# Altium PCB SPEC-A7.PcbDoc (part 8 of 10)
Units mm, origin at the board's own origin, x right, y up, seen from the top; angles counter-clockwise.
Board outline 160 x 100 mm, 6 copper layers (Top Layer, L2, L3, L4, L5, Bottom Layer), stack 1.61 mm thick; 746 components, 489 nets, 2774 pads, 1740 vias.
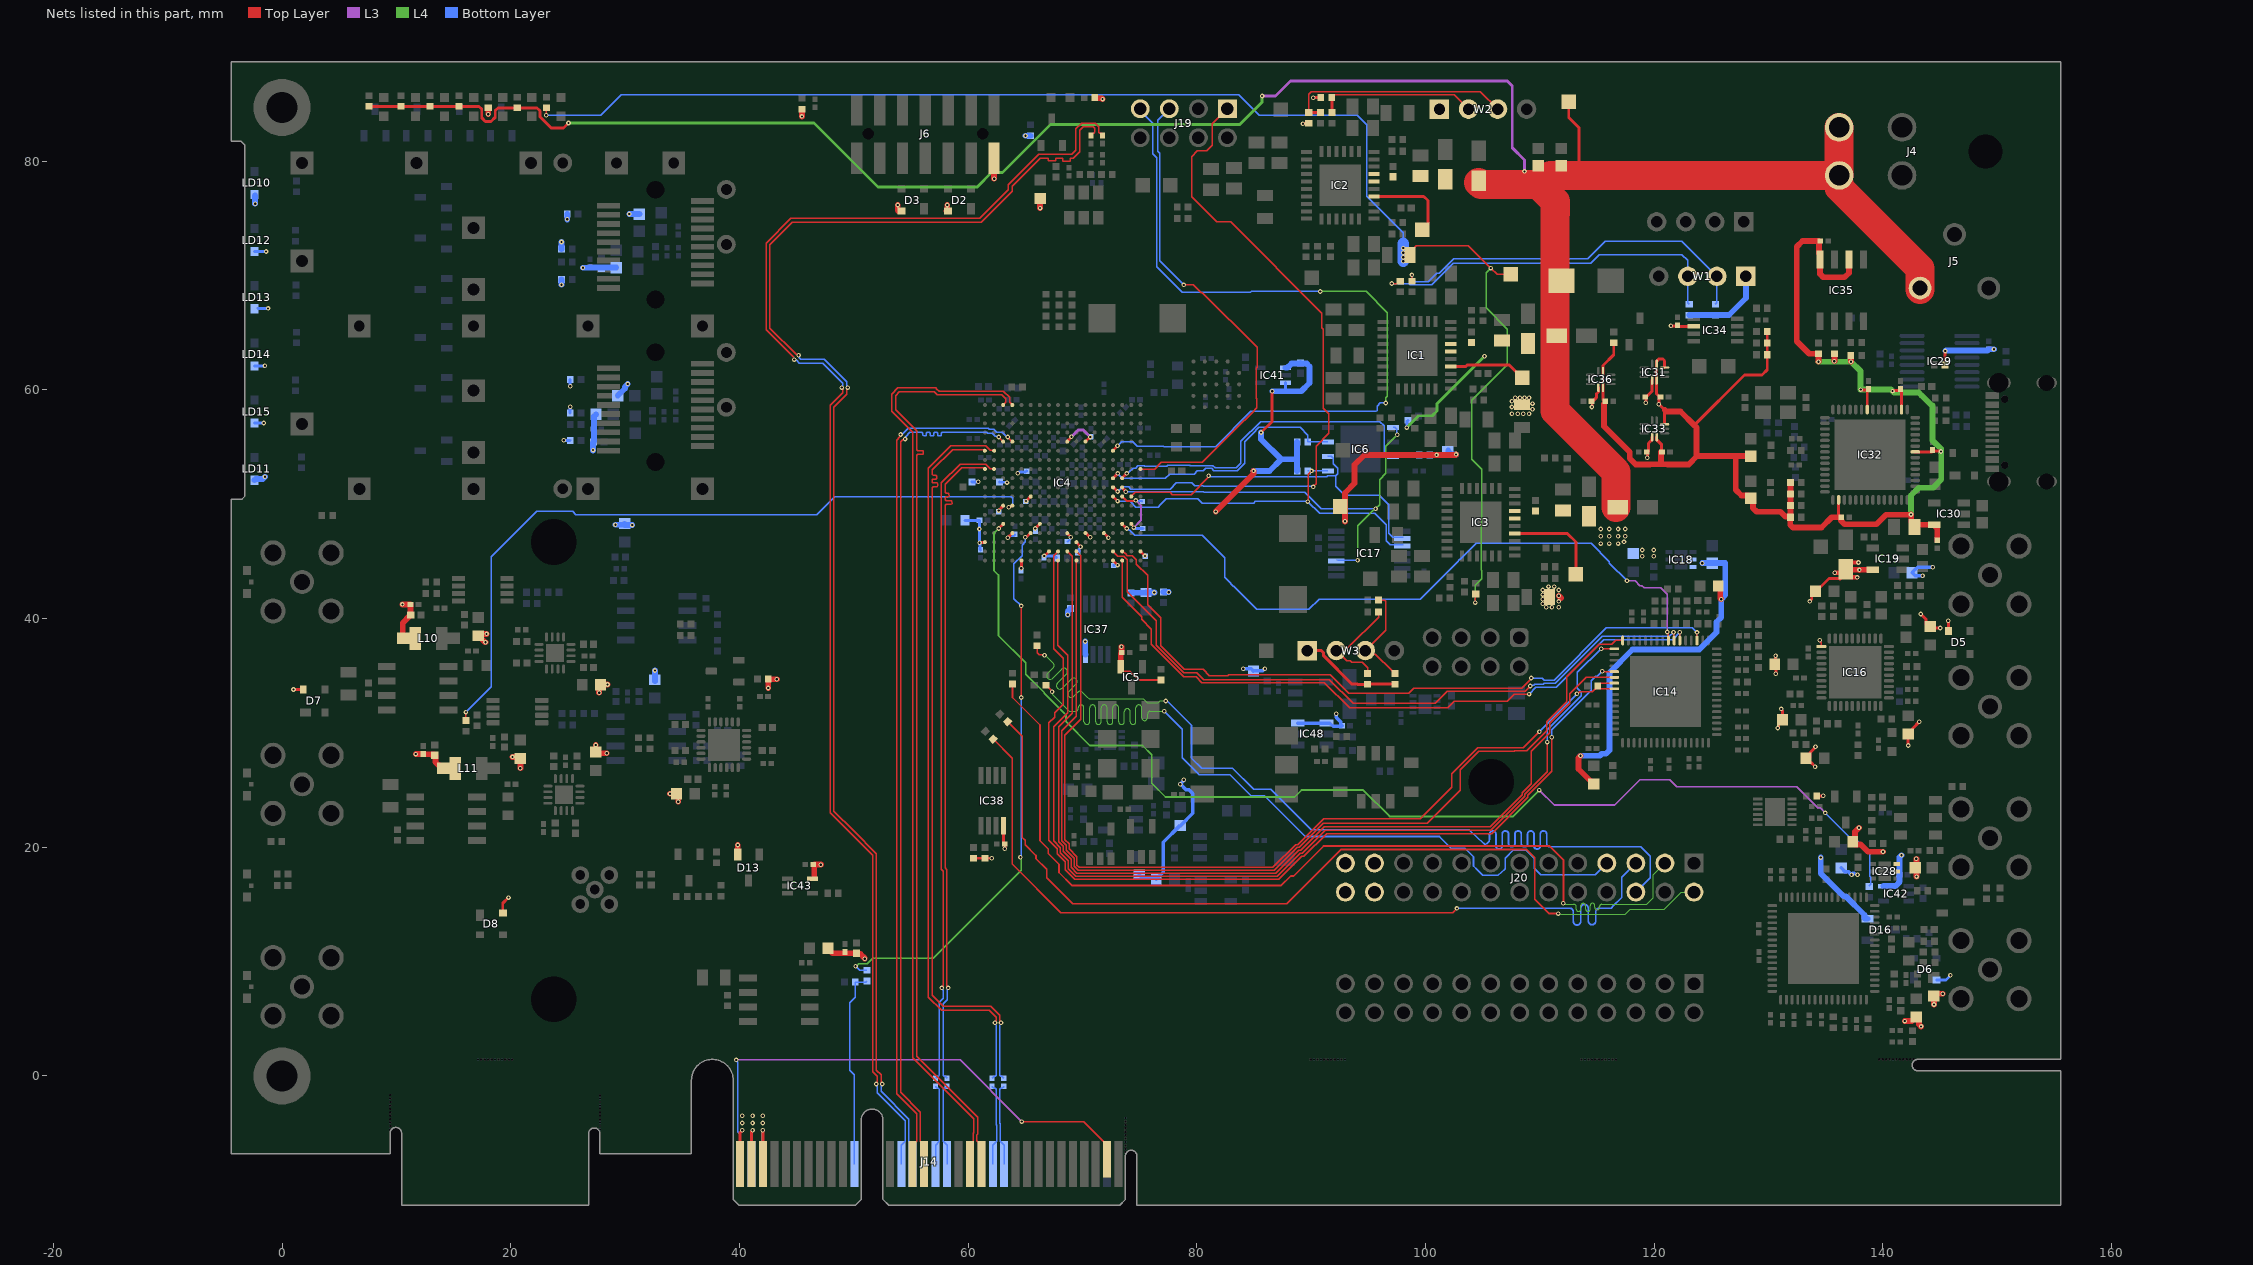
[diagram p12: the nets of this part, all layers, seen from the top]

## Via types
v1: diameter 0.4, hole 0.2, Top Layer to Bottom Layer, tented both sides, 1622 vias
v2: diameter 0.5, hole 0.2, Top Layer to Bottom Layer, tented both sides, 73 vias
v3: diameter 0.4, hole 0.2, Top Layer to Bottom Layer, 45 vias

## Nets (pads, with @x,y where several pads share a name; then routed paths per layer and width w, separated by ;. In a path a pad name is that pad's centre, name@x,y a point inside that pad or via, vN(x,y) a via of type N, cw(c..) or ccw(c..) an arc to the next point about the centre after c; other vN are vias at no path point) (continued)
P3V3: C33.2 C54.2 C68.2 C69.2 C70.2 C84.2 C85.2 C86.2 C87.2 C88.2 C89.2 C90.2 C91.2 C92.2 C93.2 C94.2 C95.2 C96.2 C97.2 C98.2 C99.2 C100.2 C101.2 C102.2 C132.2 C281.2 C282.2 C289.2 C290.2 C299.2 C308.2 C309.2 C310.2 C319.2 C324.2 C325.2 C329.2 C351.2 C352.2 C353.2 C355.2 C356.2 D2.4 D3.4 D6.4 D7.4 D8.4 D13.2 D16.2 FB1.1 FB6.1 FB18.1 FB19.1 FB20.1 FB21.1 FB22.1 FB23.1 FB24.1 FB27.1 IC4.E10 IC4.E12 IC4.L6 IC4.L16 IC4.M3 IC4.P7 IC4.P17 IC4.R4 IC4.R10 IC4.R12 IC4.R14 IC4.T1 IC4.T11 IC4.U8 IC4.U18 IC4.V5 IC4.V15 IC5.2 IC29.3 IC31.6 IC33.6 IC34.2 IC36.6 IC37.8 IC38.8 IC41.1 IC41.3 IC42.5 IC43.5 J6.2 J20.26 L3.1 L4.1 L5.1 L6.1 L10.1 L11.1 LD10.2 LD11.2 LD12.2 LD13.2 LD14.2 LD15.2 R7.2 R8.2 R36.2 R40.2 R41.2 R43.2 R45.1 R46.1 R47.1 R48.2 R49.2 R50.2 R93.2 R94.2 R95.2 R96.2 R100.2 R101.2 R102.2 R124.2 R135.2 R136.2 R145.2 R146.2 R170.2 R172.1 R185.2 TP5.1 W1.1 W2.1 W3.1 | length 180.2
  Top Layer w0.127: IC4.P17@74.264,48.276 74.264,48.225 74.479,48.01 v1(74.479,47.96)
  Top Layer w0.152: IC5.2@73.34,35.777 73.34,35.624 73.564,35.4 74.15,35.4 74.92,34.63 R170.2@76.85,34.63
  Top Layer w0.178: IC4.L16@73.464,50.676 73.855,50.285 74.559,50.285 74.604,50.329 v1(74.664,50.329)
  Top Layer w0.25: v1(1,33.8) D7.4@1.85,33.8 ; D8.4@19.3,14.25 19.3,15.1 v1(19.8,15.6)
  Top Layer w0.254: R40.2@60.447,19.04 R41.2@61.463,19.04 v1(62.06,19.04) ; v1(60.998,46.63) 61.025,46.657 61.445,46.657 IC4.T1@61.464,46.676 ; v1(62.664,49.445) 62.664,49.46 63.064,49.86 IC4.M3@63.064,49.876 ; C33.2@63.073,20.384 IC38.8@63.073,21.882 ; v1(63.21,19.86) C33.2@63.21,20.272 ; v1(63.464,47.076) IC4.R4@63.864,47.476 ; v1(64.651,44.402) 64.657,44.408 64.657,45.069 IC4.V5@64.664,45.076 ; v1(65.064,50.276) IC4.L6@65.464,50.676 ; v1(65.864,47.876) IC4.P7@66.264,48.276 ; v1(66.664,45.476) IC4.U8@67.064,45.876 ; IC4.R10@68.664,47.476 68.664,47.45 68.981,47.133 v1(68.981,47.099) ; IC4.E10@68.664,55.476 68.664,55.502 69.031,55.868 v1(69.031,55.894) ; IC4.T11@69.464,46.676 69.464,46.658 69.829,46.293 v1(69.829,46.276) ; IC4.R12@70.264,47.476 70.279,47.476 70.649,47.105 v1(70.664,47.105) ; IC4.E12@70.264,55.476 70.267,55.476 70.67,55.878 v1(70.673,55.878) ; IC4.R14@71.864,47.476 v1(72.264,47.076) ; IC4.V15@72.664,45.076 v1(73.064,44.676) ; IC4.U18@75.064,45.876 v1(75.464,45.476) ; v1(85.611,56.272) 86.555,57.217 86.555,59.843 v1(86.583,59.871) ; v1(89.276,83.28) 89.295,83.299 89.765,83.299 R136.2@89.784,83.318 ; W3.1@89.65,37.2 90.881,37.2 91.086,36.995 91.086,36.743 93.568,34.261 94.049,34.261 94.064,34.246 94.912,34.246 R145.2@94.927,34.261 R146.2@97.34,34.261 ; v1(90.174,85.556) 90.179,85.561 90.833,85.561 R135.2@90.838,85.566 ; v1(114.549,58.499) 114.577,58.527 114.577,58.966 114.93,59.319 114.93,59.642 115.111,59.823 IC36.6@115.111,60.212 ; v1(119.248,58.88) 119.276,58.908 119.276,59.347 119.81,59.881 IC31.6@119.81,60.847 ; v1(119.375,54.054) 119.403,54.082 119.403,54.521 119.502,54.62 119.502,55.324 119.81,55.632 IC33.6@119.81,55.894 ; v1(121.456,65.599) 121.484,65.571 122.013,65.571 122.042,65.542 122.055,65.555 IC34.2@123.444,65.555 ; R172.1@145.42,62.2 145.435,62.215 145.435,63.385 v3(145.45,63.4)
  Top Layer w0.305: R93.2@42.501,34.718 R93.2@42.506,34.714
  Top Layer w0.508: v1(10.526,41.238) C353.2@11.231,41.238 C352.2@11.231,40.319 ; C352.2@11.244,40.244 11.171,40.244 10.55,39.623 10.55,38.363 L10.1@10.65,38.263 L10.1@11.65,38.263 ; v1(11.7,28.15) C356.2@12.35,28.15 ; C356.2@12.366,28.133 13.006,28.133 13.033,28.106 13.294,28.106 C355.2@13.35,28.05 13.406,27.994 13.406,27.444 13.703,27.146 13.804,27.146 L11.1@14.101,26.849 ; L11.1@14.15,26.9 L11.1@15.15,26.9 ; v1(17.787,37.924) 17.751,37.924 17.175,38.5 FB22.1@17.15,38.5 17.15,38.624 17.137,38.637 17.153,38.654 v1(17.884,38.654) ; v1(18.029,84.115) R36.2@18.029,84.661 ; v1(20.15,27.9) 20.705,27.9 FB24.1@20.838,27.767 v1(20.838,26.916) ; v1(27.427,28.945) 27.427,28.214 27.438,28.225 v1(28.396,28.225) ; v1(27.724,33.511) 27.724,34.201 27.711,34.214 27.727,34.231 27.848,34.231 v1(28.458,34.231) ; v1(33.927,24.677) FB19.1@34.492,24.677 34.616,24.677 34.629,24.69 34.646,24.673 v1(34.646,23.979) ; D13.2@39.841,19.378 v1(39.841,20.199) ; R93.2@42.493,34.727 R93.2@42.501,34.718 ; R93.2@42.506,34.714 R93.2@42.52,34.7 ; v1(42.52,33.926) R93.2@42.52,34.7 ; v1(43.27,34.7) R93.2@42.52,34.7 ; v1(45.461,83.915) R49.2@45.461,84.55 ; IC43.5@46.544,17.372 C54.2@46.544,18.477 ; C54.2@46.549,18.482 v1(47.115,18.482) ; FB27.1@47.677,11.183 48.127,10.733 C325.2@50.229,10.733 50.285,10.677 50.573,10.677 50.95,10.3 v1(50.95,10.26) ; v1(53.833,76.168) 53.833,75.696 53.879,75.65 D3.4@54,75.65 ; D2.4@58.1,75.65 58.161,75.65 v1(58.161,76.168) ; J6.2@62.256,80.266 62.268,80.253 v1(62.268,78.472) ; v1(66.289,75.898) FB6.1@66.289,76.749 FB6.1@66.289,76.873 ; R48.2@71.077,85.566 71.077,85.546 71.113,85.51 71.672,85.51 v1(71.75,85.432) ; IC5.2@73.34,35.777 73.34,36.944 C132.2@73.432,37.036 73.401,37.067 v1(73.401,37.544) ; v1(81.656,49.355) 84.958,52.657 v1(84.958,52.911) ; v1(92.95,48.5) 92.95,50.99 93.794,51.834 93.794,53.444 94.657,54.308 v1(100.96,54.308) 102.62,54.308 v1(102.665,54.353) ; v1(111.65,42) 111.853,41.797
  L3 w0.178: v1(74.479,47.96) 75.093,48.574 75.093,49.9 v1(74.664,50.329)
  L3 w0.254: v1(69.031,55.894) 69.625,56.488 70.063,56.488 v1(70.673,55.878)
  Bottom Layer w0.178: v1(63.464,47.076) 63.524,47.076 63.659,47.211 63.965,47.211 64.101,47.347 C93.2@64.101,47.372 ; C86.2@68.678,46.726 68.703,46.726 68.938,46.962 68.938,47.057 v1(68.981,47.099) ; v1(74.664,50.329) 74.706,50.287 75.167,50.287 C96.2@75.21,50.244
  Bottom Layer w0.25: C88.2@72.735,44.656 72.745,44.666 73.054,44.666 v1(73.064,44.676) ; D6.4@144.7,8.4 145.5,8.4 v1(145.9,8.8)
  Bottom Layer w0.254: LD15.2@-2.4,57.1 v1(-1.6,57.1) ; LD14.2@-2.4,62.1 v1(-1.5,62.1) ; LD12.2@-2.4,72.1 v1(-1.4,72.1) ; LD13.2@-2.113,67.14 -2.097,67.124 v1(-1.224,67.124) ; v1(24.64,55.586) 24.649,55.577 25.185,55.577 R101.2@25.195,55.567 ; R102.2@25.195,57.98 v1(25.195,58.526) ; v1(25.195,60.304) R100.2@25.195,60.901 ; C68.2@59.723,48.593 C69.2@60.986,48.593 v1(60.986,47.831) v1@60.986,46.63 ; C84.2@60.32,51.953 60.326,51.959 60.878,51.959 v1(60.884,51.965) ; v1(60.998,46.63) 61.026,46.602 61.026,46.057 C89.2@61.071,46.012 ; C85.2@62.733,51.953 62.762,51.923 63.365,51.923 v1(63.393,51.895) ; v1@64.384,52.769 v1(64.322,52.708) 64.362,52.708 64.489,52.835 65.019,52.835 65.094,52.911 C94.2@65.12,52.885 ; v1(66.664,45.476) 67.559,45.476 67.724,45.311 R43.2@67.724,45.291 ; C95.2@69.585,45.778 69.683,45.876 69.683,46.091 69.829,46.236 v1(69.829,46.276) ; v1(74.479,47.96) 74.518,47.96 74.605,47.872 C91.2@75.273,47.872 ; IC41.3@87.743,60.627 87.743,59.98 87.852,59.871
  Bottom Layer w0.508: LD11.2@-2.4,52.1 -2.4,52.11 -2.304,52.206 -1.694,52.206 v1(-1.5,52.4) ; v1(-2.356,76.281) -2.356,76.994 LD10.2@-2.35,77 ; v1(24.433,69.194) R95.2@24.433,69.664 ; R96.2@24.433,72.331 v1(24.433,72.928) ; v1(24.941,74.909) R94.2@24.941,75.379 ; v1(26.312,70.676) 26.919,70.676 26.935,70.692 L3.1@29.221,70.692 ; v1@27.196,54.685 v1(27.196,54.736) 27.196,55.389 C290.2@27.247,55.44 27.289,55.482 27.289,57.687 L5.1@27.455,57.853 ; v1(29.15,48.2) 29.85,48.2 FB18.1@29.95,48.3 29.95,48.176 v1(30.626,48.176) ; L6.1@29.36,59.504 29.979,60.123 29.979,60.262 v1(30.237,60.52) ; v1(30.364,75.379) 31.241,75.379 L4.1@31.253,75.367 ; FB20.1@32.607,34.52 FB20.1@32.607,34.644 v1(32.607,35.457) ; v1(65.015,82.23) R50.2@65.45,82.23 ; v1(68.702,40.338) 68.702,40.63 68.9,40.828 68.9,40.848 68.936,40.884 R124.2@68.956,40.884 ; v1(70.238,37.997) 70.238,36.897 IC37.8@70.267,36.868 ; C100.2@74.25,42.25 C102.2@75.35,42.25 ; C102.2@75.56,42.281 v1(76.284,42.281) ; C101.2@77.084,42.312 v1(77.534,42.312) ; v1(84.958,52.911) 86.353,52.911 87.369,53.927 ; v1(85.611,56.272) 85.611,55.685 87.369,53.927 ; v1(86.583,59.871) 87.852,59.871 89.121,59.871 89.85,60.6 89.85,62.052 89.608,62.294 89.106,62.294 C329.2@89.05,62.35 88.994,62.294 88.277,62.294 87.91,61.927 IC41.1@87.743,61.927 ; R45.1@88.764,52.912 88.764,53.927 ; R46.1@88.764,55.452 88.764,53.927 ; R47.1@100.372,54.309 R47.1@100.372,54.309 v1(100.96,54.308) ; FB1.1@101.976,54.689 101.976,54.596 102.198,54.374 102.644,54.374 v1(102.665,54.353) ; R8.2@123.058,66.538 R7.2@125.344,66.538 126.525,66.538 128.011,68.024 W1.1@128.011,69.929 ; v1(134.55,19.1) 134.55,17.7 136.539,15.711 136.739,15.711 138.379,14.071 138.379,13.821 138.45,13.75 D16.2@138.65,13.75 ; IC42.5@140.05,16.6 141.096,16.6 141.394,16.898 141.394,16.958 141.45,17.014 C351.2@141.45,17.6 ; C351.2@141.455,17.605 141.455,19.129 v1(141.621,19.294) ; v3(145.45,63.4) 145.502,63.452 IC29.3@147.35,63.452 149.152,63.452 C299.2@149.25,63.55 v1(149.7,63.55) ; 87.369,53.927 88.764,53.927
  other v1: 110.55,41 111.05,41 111.65,41 110.25,41.3 111.65,41.5 110.25,41.7 110.25,42.1 110.25,42.5 111.65,42.5 110.75,42.8 111.25,42.8
P3V3_USB: C52.2 C302.2 C304.2 C305.2 C306.2 C307.2 C320.2 C321.2 C322.2 C323.2 IC30.5 IC31.1 IC31.7 IC31.10 IC32.16 IC32.36 IC32.44 IC32.50 IC33.7 IC33.10 IC35.6 IC35.8 IC36.1 IC36.7 L8.1 L9.1 R107.2 R108.2 R109.2 R110.2 R111.2 R115.1 R116.2 R117.2 R118.2 R119.2 R120.2 | length 133.4
  Top Layer w0.254: 115.593,58.752 115.593,58.977 115.623,59.007 115.511,59.119 IC36.7@115.511,60.212 IC36.1@115.511,61.562 115.511,62.128 116.454,63.071 R107.2@116.454,64.163 ; IC33.7@120.21,55.894 120.21,55.632 120.645,55.197 120.645,54.631 C305.2@120.576,54.562 ; IC33.10@120.91,56.994 120.91,58.237 120.394,58.753 v1(120.391,58.753) 120.419,58.781 120.419,59.358 120.449,59.388 120.21,59.627 IC31.7@120.21,60.847 IC31.1@120.21,62.197 120.21,62.509 120.391,62.69 120.75,62.69 120.899,62.541 120.899,62.436 120.91,62.425 IC31.10@120.91,61.947 ; 123.502,56.911 127.884,61.293 129.408,61.293 129.878,61.763 R116.2@129.878,63.071 R117.2@129.878,64.087 R115.1@129.878,65.103 ; IC32.16@136.121,50.376 136.121,48.989 C322.2@136.249,48.861 ; v1(138.044,60.023) 138.083,60.023 138.125,59.981 C321.2@138.718,59.981 ; IC32.50@138.621,58.276 C321.2@138.621,59.858 ; v1(140.838,59.896) 140.877,59.896 140.919,59.938 141.495,59.938 141.525,59.968 141.621,59.872 IC32.44@141.621,58.276 ; IC32.36@142.821,54.576 144.261,54.576 144.343,54.658 144.363,54.637 145.041,54.637 v1(145.068,54.609)
  Top Layer w0.508: 115.593,58.752 115.593,56.82 117.853,54.56 117.853,53.992 118.372,53.473 119.615,53.473 119.63,53.488 120.576,53.488 ; C305.2@120.576,54.562 120.576,53.488 ; 120.91,58.237 121.029,58.118 122.296,58.118 123.502,56.911 123.657,56.757 ; 123.693,54.207 123.693,56.721 ; 127.275,54.207 127.122,54.054 127.122,51.26 127.62,50.761 128.207,50.761 128.639,50.329 128.639,49.657 128.955,49.341 131.038,49.341 131.462,48.917 131.875,48.917 R111.2@131.911,48.881 ; L8.1@128.444,54.207 123.744,54.207 123.009,53.473 121.183,53.473 121.168,53.488 120.576,53.488 ; R108.2@131.911,51.909 R109.2@131.911,50.893 R110.2@131.911,49.877 R111.2@131.911,48.881 ; v1(134.362,62.451) 134.362,63.146 R120.2@134.356,63.153 133.556,63.153 132.451,64.258 132.451,72.513 132.959,73.021 134.414,73.021 134.414,71.947 134.483,71.878 IC35.8@134.483,71.403 134.483,70.143 134.78,69.846 136.642,69.846 137.023,70.227 IC35.6@137.023,71.403 ; v1(135.75,62.5) 135.75,63.15 R119.2@135.753,63.153 ; R118.2@137.188,62.988 137.203,62.973 v1(137.203,62.464) ; C302.2@144.75,46.85 144.75,47.9 144.44,48.21 142.715,48.21 142.479,48.446 142.479,49.071 v1(142.45,49.1) 142.431,49.081 140.267,49.081 140.044,48.858 139.441,48.255 136.641,48.255 136.305,48.591 136.305,48.805 136.249,48.861 135.518,48.861 134.615,47.958 132.118,47.958 131.894,48.182 131.894,48.844 R111.2@131.911,48.861 R111.2@131.911,48.881
  L4 w0.508: v1(134.362,62.451) 134.375,62.464 v1(137.203,62.464) 138.044,61.623 v1(138.044,60.023) 140.711,60.023 v1(140.838,59.896) 140.965,59.769 143.124,59.769 143.378,59.515 143.387,59.515 144.267,58.635 ; v1(142.45,49.1) 142.45,50.764 143.125,51.439 144.388,51.439 145.102,52.153 145.102,54.434 145.068,54.468 145.068,54.647 145.068,54.843 144.316,55.596 144.316,58.635
P3V3LMX: C240.1 D5.4 FB12.1 FB13.1 FB14.1 FB15.1 FB16.1 FB17.1 IC16.1 IC19.5 | length 22.8
  Top Layer w0.127: v1(134.48,38.097) 134.48,38.035 134.618,37.897 IC16.1@134.618,37.559
  Top Layer w0.25: D5.4@145.716,38.966 v1(145.716,39.8)
  Top Layer w0.254: v1(130.605,36.749) 130.605,36.067 130.628,36.045 130.628,35.181 v1(130.622,35.175) ; v1(130.79,30.428) 130.79,30.468 130.881,30.559 130.881,30.741 131.309,31.17 131.195,31.284 131.195,31.966 131.1,32.06 v1(131.1,32.1) ; FB15.1@133.261,27.804 133.351,27.714 133.351,27.62 133.54,27.431 133.676,27.431 v1@134.053,27.054 ; FB15.1@133.385,27.655 133.609,27.879 133.609,28.257 134.072,28.72 134.072,28.772 v1(134.1,28.8) ; v1(133.6,41.5) 133.6,41.54 133.772,41.712 133.772,42.072 FB17.1@134.1,42.4 134.1,42.425 134.448,42.773 134.545,42.773 135.281,43.509 C240.1@136.234,43.509 ; v1(142.2,28.9) FB12.1@142.2,29.9 142.225,29.9 142.573,30.248 142.573,30.366 v1(143.176,30.969) ; v1(143.3,40.4) 143.777,39.923 143.777,39.549 144.15,39.176 v1(144.998,39.176)
  Top Layer w0.381: v1(135.769,43.999) 136.601,43.999 C240.1@136.603,44 ; C240.1@136.234,43.509 136.728,44.004 136.958,44.004 136.958,43.835 137.184,43.608 137.736,43.608 v1@137.741,43.604 ; C240.1@136.75,44.3 136.75,44.468 137.184,44.903 v1(137.857,44.903)
  Top Layer w0.508: C240.1@137.111,43.957 137.111,44.258 137.121,44.268 v1@137.925,44.268 ; v1(137.939,44.254) 137.949,44.265 IC19.5@139.113,44.265
  other v1: 134.061,27.054 137.75,43.6
P3V3PLL1: C230.2 FB9.1 FB11.1 IC18.5 IC18.6 | length 33.1
  Top Layer w0.508: v1(113.55,28) 113.369,27.819 113.369,26.852 114.473,25.748 114.536,25.748 FB9.1@114.676,25.608 ; FB11.1@125.475,42.849 125.549,42.849 125.774,42.624 125.774,41.776 v1(125.85,41.7)
  Bottom Layer w0.508: v1(113.55,28) 115.228,28 115.409,28.181 115.775,28.181 116.073,28.479 116.073,35.258 118.105,37.29 123.939,37.29 125.45,38.8 125.45,39.7 125.85,40.1 v1(125.85,41.7) 126.203,42.053 126.203,44.85 C230.2@125.05,44.85 v1(124.192,44.85)
P3V3PLL2: C226.2 FB7.1 FB8.1 FB10.1 IC28.5 IC28.6 R64.1 | length 10.3
  Top Layer w0.254: R64.1@134.22,24.5 v1(134.766,24.5)
  Top Layer w0.508: v1(137.9,21.7) 137.55,21.35 137.55,20.275 137.571,20.254 138.028,20.254 138.679,19.603 139.997,19.603 v1(140,19.6) ; v1(141.9,4.8) 142.518,4.8 142.858,5.139 142.944,5.139 143.147,4.936 143.147,4.515 v1(143.331,4.33) ; C226.2@142.812,18.175 142.918,18.281 v1(142.918,18.988) ; C226.2@142.812,18.213 142.936,18.088 v1(142.936,17.437) ; v1(144.46,6.25) 144.46,6.993 144.45,7.003 144.478,7.003 144.663,7.188 v1(145.224,7.188)
P3V6_CLK: C343.1 FB25.2 FB26.2 FB28.2 FB29.2 FB32.1 FB33.1 FB34.1 IC48.3 IC48.4 R184.2 | length 24.5
  Bottom Layer w0.305: FB26.2@74.95,17.6 75.242,17.307 76.342,17.307 FB29.2@76.45,17.2 ; FB29.2@76.45,17.225 76.772,17.548 76.797,17.548 77.073,17.823 77.073,20.448 78.525,21.9 FB25.2@78.55,21.9 78.575,21.9 79.65,22.975 79.65,24.7 79.299,25.051 79.025,25.051 78.576,25.5 v3(78.55,25.5) 78.55,25.526 78.832,25.808 78.832,25.882 v3(78.85,25.9) ; v3(84.05,35.6) 84.75,35.6 FB28.2@84.95,35.4 ; FB28.2@84.996,35.446 85.77,35.446 85.924,35.6 v3(85.95,35.6) ; IC48.3@88.828,30.859 91.628,30.859 91.909,30.577 92.644,30.577 C343.1@92.697,30.631 92.672,30.631 92.6,30.703 92.6,30.93 92.179,31.35 v1@92.179,31.682 ; FB32.1@136.35,18.2 136.672,17.877 136.947,17.877 137.206,17.618 137.219,17.631 137.271,17.631 137.292,17.652 137.396,17.652 137.493,17.75 137.4,17.75 v1(137.25,17.6) ; v1(143.458,43.745) 142.805,43.745 FB34.1@142.55,44 142.55,44.025 142.872,44.348 142.897,44.348 143.05,44.5 v1(144.35,44.5)
  other v1: 137.771,17.608 92.178,31.684 118.941,45.441 119.957,45.441 118.944,45.994 119.96,45.994 107.55,57.9 108.05,57.9 108.55,57.9 109.05,57.9 109.35,58.3 107.55,58.5 109.35,58.8 107.55,59 107.85,59.3 108.25,59.3 108.65,59.3 109.05,59.3
P5V0: R24.2 R31.2 R182.2 TP8.1 | length 131.1
  Top Layer w0.127: R31.2@23.109,84.661 23.114,84.656 v1(23.114,84.013) ; R182.2@98.65,71.8 98.65,72.084 99.186,72.621 103.729,72.621 v1(105.7,70.65) 106.25,70.1 TP8.1@107.45,70.1 ; v1(104.35,41.4) 104.35,42.115 R24.2@104.389,42.154
  L4 w0.127: v1(104.35,41.4) 104.35,42.934 104.894,43.478 104.894,44.227 104.887,44.234 104.887,48.246 104.906,48.265 104.906,53.039 104.028,53.918 104.028,59.078 107.15,62.2 107.15,65.3 105.287,67.163 105.287,70.237 v1(105.7,70.65)
  Bottom Layer w0.127: v1(23.114,84.013) 27.862,84.013 29.672,85.823 83.677,85.823 85.467,84.033 94.031,84.033 94.864,83.2 94.864,76.924 98.05,73.738 v1(98.05,72.4)
  Bottom Layer w1.016: v1(98.05,71.242) v1(98.05,71.6) v1(98.05,72) v1(98.05,72.4) 98.05,72.8
P12V0: C1.1 C2.1 C3.1 C4.1 C5.1 C6.1 C7.2 C8.2 C9.2 C10.2 C11.2 C12.2 C31.2 C32.2 D1.1 IC1.28 IC1.29 IC2.28 IC2.29 IC3.28 IC3.29 J4.3 J4.4 J5.1 J14.A2 J14.A3 J14.B1 J14.B2 J14.B3 J20.23 J20.24 J20.25 R3.2 R30.2 R32.2 R33.2 R34.2 R35.2 TP4.1 | length 231
  Top Layer w0.254: R32.2@7.615,84.788 R33.2@10.409,84.788 R34.2@12.949,84.788 R35.2@15.489,84.788 17.229,84.788 17.457,84.559 17.457,83.797 17.775,83.48 18.283,83.48 18.645,83.842 18.645,84.43 18.876,84.661 R30.2@20.569,84.661 22.284,84.661 22.545,84.4 22.545,83.886 23.531,82.9 24.609,82.9 v1(25.048,83.338) ; J14.B1@40.05,-7.7 40.05,-4.969 40.254,-4.765 v1(40.254,-4.747) ; J14.B2@41.05,-7.7 41.05,-4.88 41.143,-4.787 v1(41.143,-4.747) ; v1(42.032,-4.747) 42.05,-4.765 J14.B3@42.05,-7.7 ; 107.564,78.073 107.691,77.946 ; C32.2@109.85,79.609 109.85,77.958 109.862,77.946 ; C31.2@111.882,79.459 112.887,79.459 113.406,79.978 113.406,82.93 112.517,83.819 TP4.1@112.517,85.185
  Top Layer w2.54: C2.1@104.643,78.147 104.844,77.946 107.691,77.946 109.862,77.946 111.35,76.458 111.35,75.406 ; 110.94,78.751 J4.4@136.166,78.751 J4.3@136.166,82.951 ; 111.321,76.406 111.321,58.171 116.655,52.837 C3.1@116.655,49.736 ; J4.4@136.166,78.08 136.166,77.684 143.25,70.6 J5.1@143.25,68.9 J5.1@143.25,68.772
  L3 w0.254: v1(85.7,85.7) 86.871,85.7 88.181,87.01 107.14,87.01 107.578,86.572 107.578,81.172 108.65,80.1 v1@108.65,79.2
  L4 w0.254: v1(25.048,83.338) 46.511,83.338 52.104,77.746 60.795,77.746 62.05,79 62.996,79 67.196,83.2 83.753,83.2 85.7,85.147 v1(85.7,85.7) ; v1(98.35,56.7) 99.386,57.737 100.579,57.737 100.995,58.153 100.995,58.788 v1(105.151,62.944)
  Bottom Layer w0.254: J14.A2@41.05,-7.7 41.05,-4.88 41.143,-4.787 v1(41.143,-4.747) ; v1(42.032,-4.747) 42.032,-7.682 J14.A3@42.05,-7.7 ; v1(98.35,56.7) 98.378,56.728 98.378,57.258 R3.2@98.45,57.33
  other v1: 40.254,-4.112 41.143,-4.112 42.032,-4.112 40.254,-3.477 41.143,-3.477 42.032,-3.477 115.311,46.561 116.073,46.561 116.835,46.561 117.35,46.7 115.311,47.196 116.073,47.196 116.835,47.196 117.47,47.196 115.311,47.831 116.073,47.831 116.835,47.831 117.47,47.831 108.65,79.1
PCIe_PER0_N: IC4.E3 J14.B15 | length 75.2
  Top Layer w0.127: v1(54.478,55.705) 54.426,55.652 54.267,55.652 54.087,55.472 54.087,-1.436 55.815,-3.164 55.815,-5.715 56.15,-6.05 J14.B15@56.15,-7.7 ; v1(62.664,55.876) IC4.E3@63.064,55.476